# Altium PCB Pump_Driver_Test.PcbDoc
Units mil, origin at the board's own origin, x right, y up, seen from the top; angles counter-clockwise.
Board outline 3935 x 2660 mil, 2 copper layers (Top Layer, Bottom Layer); 36 components, 27 nets, 161 pads, 208 vias.
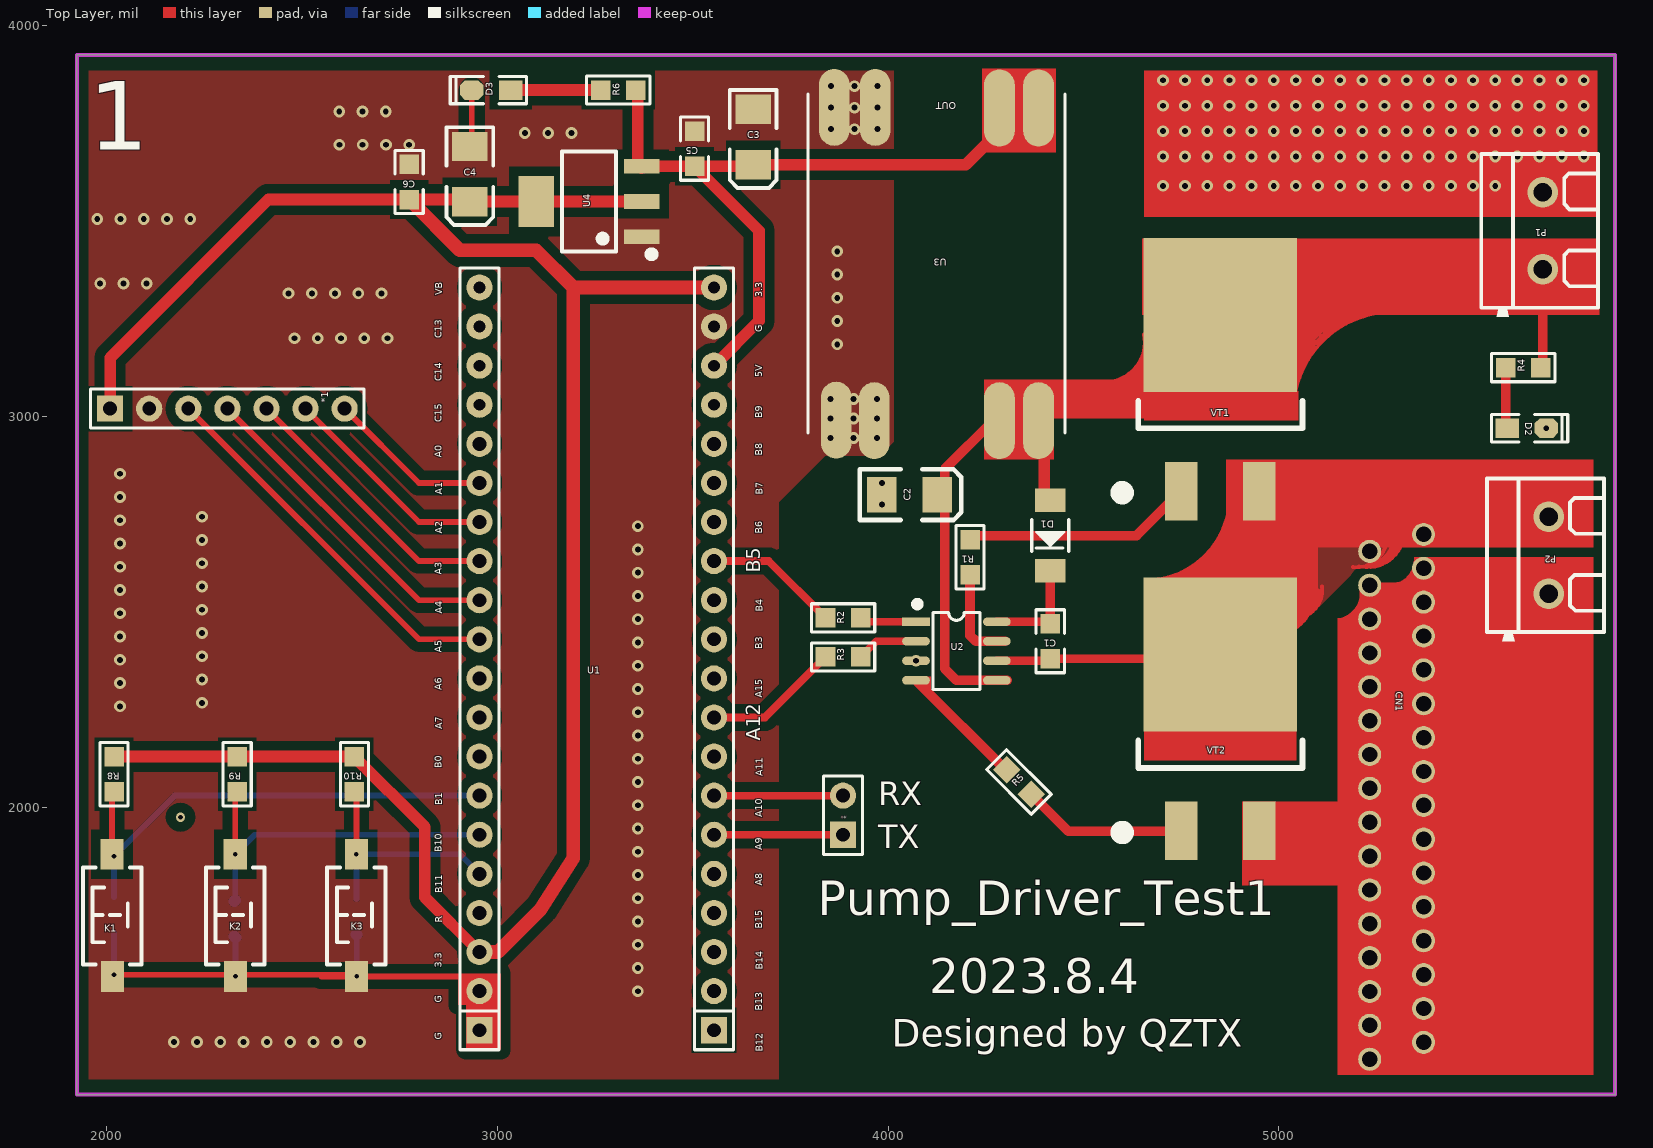
[diagram p0: Top Layer view]
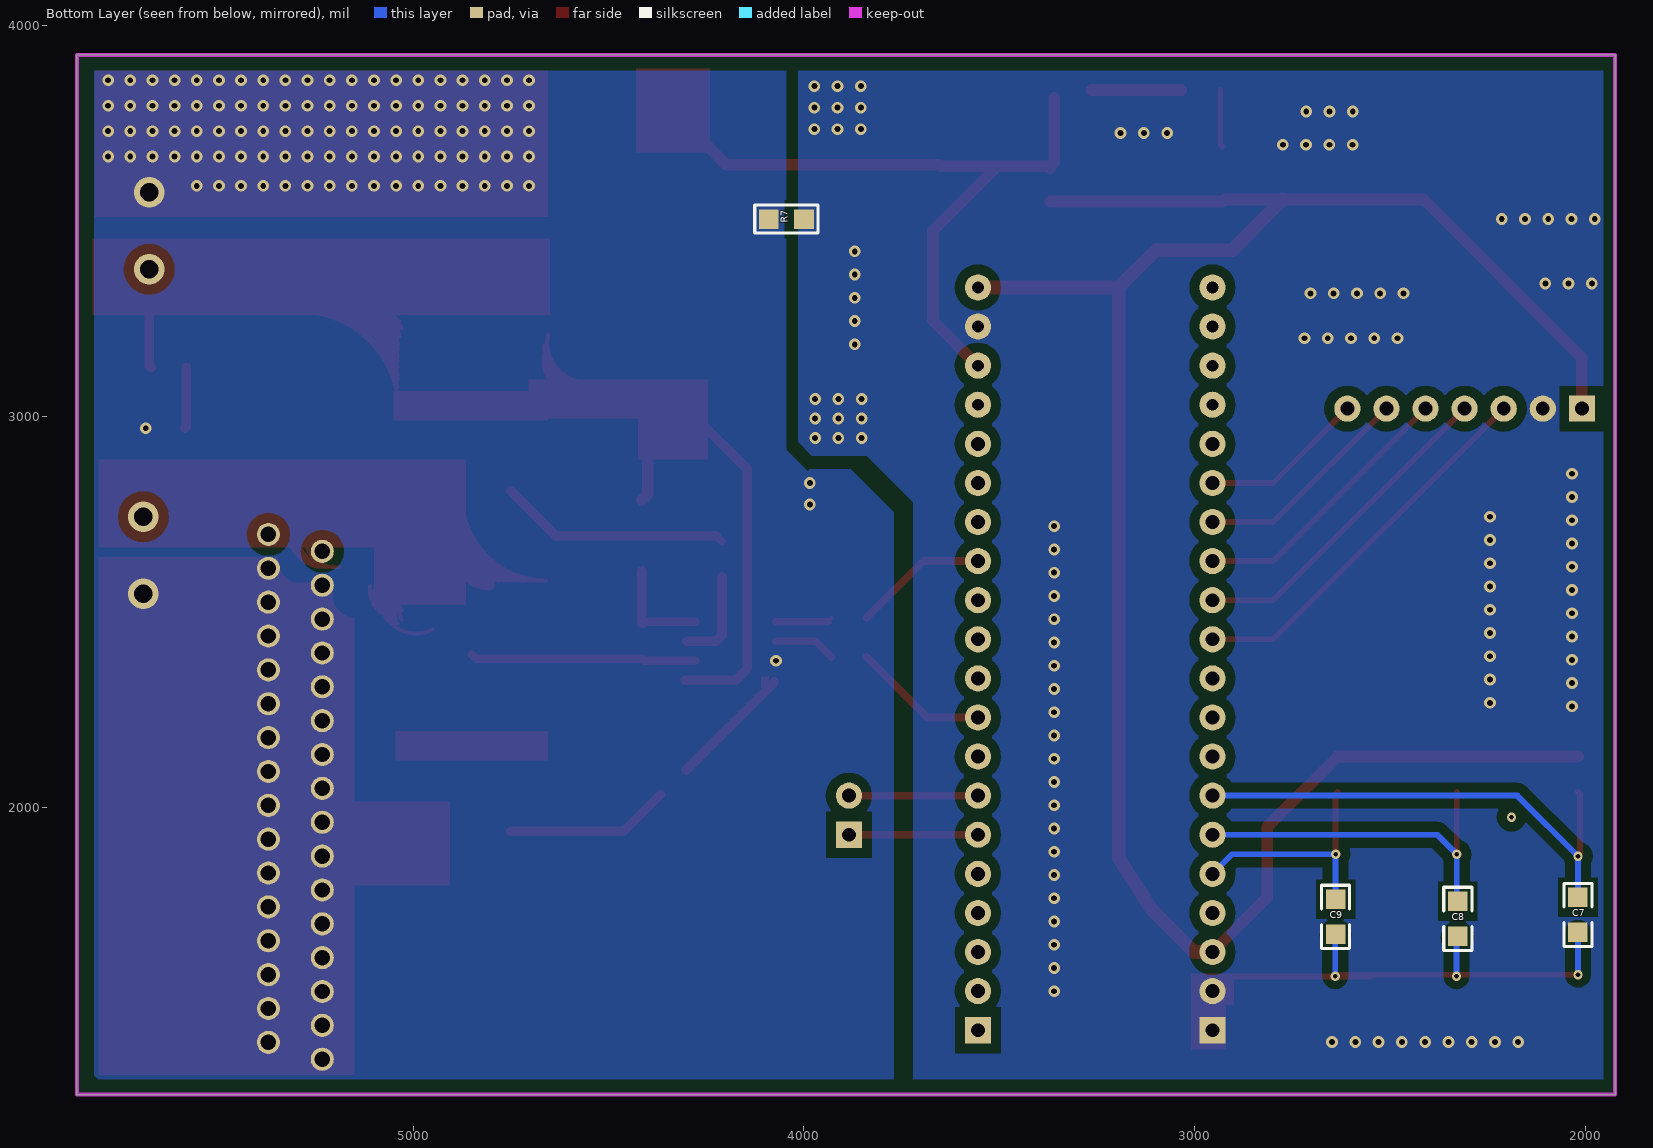
[diagram p1: Bottom Layer view, seen from below]

## Layer stack, top to bottom
Top Solder: solder mask 0.4, Solder Resist, Dk 3.5
Top Layer: signal copper 1.4
Dielectric 1: dielectric 12.6, FR-4, Dk 4.8
Bottom Layer: signal copper 1.4
Bottom Solder: solder mask 0.4, Solder Resist, Dk 3.5

## Board outline
1925,1265 1925,3925 5860,3925 5860,1265

## Design rules (kind name [scope] priority, off if disabled: settings)
Clearance Inpoly [InPoly] p1: gap=25
Clearance [All] p2: gap=7
PlaneClearance [All] p1: clearance=25
PlaneConnect [All] p1: planeconnectstyle=Relief reliefexpansion=20 reliefentries=4 reliefconductorwidth=20 reliefairgap=10
PolygonConnect [All] p1: connectstyle=Direct reliefconductorwidth=10 reliefentries=4 polygonreliefangle="90 Angle" airgapwidth=10
RoutingVias [All] p1: holewidth=12 width=24 viastyle="Through Hole" minholewidth=10 minwidth=20 maxholewidth=28 maxwidth=50
SilkToSilkClearance [All] p1: silktosilkclearance=0
SilkToSolderMaskClearance [IsPad] p1: minsilkscreentomaskgap=1 clearancetoexposedcopper=TRUE
SolderMaskExpansion [All] p1: expansion=4
Width [All] p1: maxlimit=100 minlimit=10 preferedwidth=10
26 further rules are at their usual default settings.

## Components (designator, comment, footprint, x,y, rotation, side; value= is the part's Value field where it differs from the comment)
*1 "OLED屏" HDR2.54-M-LI-7P 2310,3020 r0 top
C1 "10uF" "C 0805" 4415,2425 r90 top
C2 "25V 10uF" "CP 3528B" 4055,2800 r180 top
C3 "10uF" "CD B(3528)" 3655,3715 r90 top
C4 "10uF" "CD B(3528)" 2930,3620 r90 top
C5 "104" "C 0805" 3505,3685 r90 top
C6 "104" "C 0805" 2775,3600 r90 top
C7 "104" "C 0805" 2020,1725 r270 bottom
C8 "104" "C 0805" 2327.5,1715 r270 bottom
C9 "104" "C 0805" 2640,1720 r270 bottom
CN1 "MX34032NF2" CONN-TH_MX34032NF2 5301.1,2026.96 r90 top
D1 "ES1B-E3/61T" DO-214 4415,2695 r270 top
D2 "ORANGE" LED_0805 5634,2970 r0 top
D3 "ORANGE" LED_0805 2985,3835 r180 top
K1 "Key" "KEY 3.6*2.5 SMD" 2015,1725 r90 top
K2 "Key" "KEY 3.6*2.5 SMD" 2330,1725 r90 top
K3 "Key" "KEY 3.6*2.5 SMD" 2640,1725 r90 top
P1 "KF301-2P接线端子" CONN-TH_XY301V-A-5.0-2P 5675,3475 r270 top
P2 "KF301-2P接线端子" CONN-TH_XY301V-A-5.0-2P 5690,2645 r270 top
R1 "10R" "R 0805" 4210,2640 r90 top
R2 "1K" "R 0805" 3885,2485 r0 top
R3 "1K" "R 0805" 3885,2385 r0 top
R4 "10k" "R 0805" 5625,3125 r0 top
R5 "10R" "R 0805" 4335,2065 r315 top
R6 "10k" "R 0805" 3310,3835 r0 top
R7 "0R" "R 0805" 4045,3505 r180 bottom
R8 "10K" "R 0805" 2020,2085 r90 top
R9 "10K" "R 0805" 2335,2085 r90 top
R10 "10K" "R 0805" 2635,2085 r90 top
U1 "C8T6核心板" c8t6核心板 3255,2525 r0 top
U2 "IR2184" SOP8 4175,2400 r0 top
U3 "DM02-XX" DM02 4125,3390 r270 top
U4 "AMS1117-XX" SOT223 3235,3550 r90 top
VT1 "SQD40N06" TO263-3B 4850,3034.61 r0 top
VT2 "SQD40N06" TO263-3B 4850,2165.39 r0 top
排针 "排母1*2" HDR2.54-M-LI-2P 3885,1980 r90 top

## Footprints (in the part's own frame and the unit in brackets; to place one, negate y for a bottom-side part, rotate by r counter-clockwise, add the part's x,y. Pads: shape width x height; smd on the part's side, far side on the other; paste and mask are expansions set on the pad)
c8t6核心板 [mm]
  round 1.7 hole 0.762: 1(-7.62,20.447) 2(-7.62,17.907) 3(-7.62,15.367) 4(-7.62,12.827) 21(7.62,20.447) 22(7.62,17.907) 23(7.62,15.367) 24(7.62,12.827)
  round 1.7 hole 0.9: 5(-7.62,10.287) 6(-7.62,7.747) 7(-7.62,5.207) 8(-7.62,2.667) 9(-7.62,0.127) 10(-7.62,-2.413) 11(-7.62,-4.953) 12(-7.62,-7.493) 13(-7.62,-10.033) 14(-7.62,-12.573) 15(-7.62,-15.113) 16(-7.62,-17.653) 17(-7.62,-20.193) 18(-7.62,-22.733) 19(-7.62,-25.273) 25(7.62,10.287) 26(7.62,7.747) 27(7.62,5.207) 28(7.62,2.667) 29(7.62,0.127) 30(7.62,-2.413) 31(7.62,-4.953) 32(7.62,-7.493) 33(7.62,-10.033) 34(7.62,-12.573) 35(7.62,-15.113) 36(7.62,-17.653) 37(7.62,-20.193) 38(7.62,-22.733) 39(7.62,-25.273)
  rect 1.7x1.7 hole 0.9: 20(-7.62,-27.813) 40(7.62,-27.813)
  silkscreen extent -8.89,-29.08 8.89,21.72
"C 0805" [mil]
  rect 50x50 smd: 1(-45,0) 2(45,0)
  silkscreen extent -81,-36 81,36, body extent -39,-24 39,24, height 20
"CD B(3528)" [mil]
  rect 75x90 smd: 1(-70.87,-0.01) 2(70.86,-0.01)
  silkscreen extent -130,-60 120,60, body extent -69,-55 69,55, height 75
CONN-TH_MX34032NF2 [mm]
  round 1.5 hole 1 paste+0 mask+0.05: 1(17.05,-1.75) 2(15.95,1.75) 3(14.85,-1.75) 4(13.75,1.75) 5(12.65,-1.75) 6(11.55,1.75) 7(10.45,-1.75) 8(9.35,1.75) 9(8.25,-1.75) 10(7.15,1.75) 11(6.05,-1.75) 12(4.95,1.75) 13(3.85,-1.75) 14(2.75,1.75) 15(1.65,-1.75) 16(0.55,1.75) 17(-0.55,-1.75) 18(-1.65,1.75) 19(-2.75,-1.75) 20(-3.85,1.75) 21(-4.95,-1.75) 22(-6.05,1.75) 23(-7.15,-1.75) 24(-8.25,1.75) 25(-9.35,-1.75) 26(-10.45,1.75) 27(-11.55,-1.75) 28(-12.65,1.75) 29(-13.75,-1.75) 30(-14.85,1.75) 31(-15.95,-1.75) 32(-17.05,1.75)
CONN-TH_XY301V-A-5.0-2P [mm]
  round 2 hole 1.2 mask+0.051: 1(-2.5,0) 2(2.5,0)
  silkscreen extent -5,-4 5.6,3.6, body extent -5.25,-4 5.35,3.6, height 11.9
"CP 3528B" [mil]
  rect 75x90 smd: 1(-70.86,0) 2(70.87,0)
  silkscreen extent -132,-65 128,65, body extent -69,-55 69,55, height 75
DM02 [mm]
  oval 5x2 smd: 1(-10.143,6.604) 2(-10.143,4.064) 3(-10.177,-4.001) 4(-10.177,-6.668) 5(10.143,-6.54) 6(10.177,-4.064) 7(10.177,4.064) 8(10.177,6.604)
  silkscreen extent -11.03,-8.38 10.97,8.32
DO-214 [mil]
  rect 60x76.77 smd: 1(-91.03,0) 2(90.07,0)
  silkscreen extent -42,-47 41,47, body extent -84,-47 83,47, height 118
HDR2.54-M-LI-2P [mm] "排母，2脚"
  rect 1.7x1.7 hole 0.9: 1(-1.27,0)
  round 1.7 hole 0.9: 2(1.27,0)
  silkscreen extent -2.54,-1.27 2.54,1.27, body extent -2.54,-1.27 2.54,1.27, height 8.5
HDR2.54-M-LI-7P [mm] "排母，7脚"
  rect 1.7x1.7 hole 0.9: 1(-7.62,0)
  round 1.7 hole 0.9: 2(-5.08,0) 3(-2.54,0) 4(0,0) 5(2.54,0) 6(5.08,0) 7(7.62,0)
  silkscreen extent -8.89,-1.27 8.89,1.27, body extent -8.89,-1.27 8.89,1.27, height 8.5
"KEY 3.6*2.5 SMD" [mm]
  rect 2x1.5 smd: 1(-3.996,-0.02) 2(3.937,0)
  silkscreen extent -3.21,-1.9 3.09,1.9, body extent -4,-1.88 4,1.62, height 2.59
LED_0805 [mil]
  rect 60x50 smd: 1(-50,0)
  oct 60x50 smd: 2(50,0)
  silkscreen extent -90,-35 105,35, body extent -39,-25 39,25, height 32
"R 0805" [mil]
  rect 50x50 smd: 1(-45,0) 2(45,0)
  silkscreen extent -81,-36 81,36, body extent -39,-25 39,25, height 20
SOP8 [mm]
  rect 1.8x0.55 smd: 1(-2.625,1.905)
  oval 1.8x0.55 smd: 2(-2.625,0.635) 3(-2.625,-0.635) 4(-2.625,-1.905) 5(2.625,-1.905) 6(2.625,-0.635) 7(2.625,0.635) 8(2.625,1.905)
  silkscreen extent -2.69,-2.5 1.52,3.2, body extent -3,-2.5 3,2.5, height 1.9
SOT223 [mm]
  rect 0.95x2.3 smd: 1(-2.3,-3.429) 2(0,-3.429) 3(2.3,-3.429)
  rect 3.3x2.3 smd: 2(0,3.429)
  silkscreen extent -3.63,-4.26 3.25,1.75, body extent -3.25,-3.51 3.25,3.51, height 1.65
TO263-3B [mm]
  rect 2.1x3.8 smd: 1(-2.54,-5.725) 3(2.54,-5.725)
  rect 10x10 smd: 2(0,5.725)
  silkscreen extent -6.75,-6.21 5.33,0.14, body extent -5,-5.74 5,9.19, height 4.5

## Part data
C1 C5 C6 C7 C8 C9: library part Cap, "无极性电容"
C2: library part Cap_Pol, "极性电容"
C3 C4: library part 贴片钽电容
CN1: "间距:2.2mm;插针结构:2x16P;排数:2;每排PIN数:16;行距:3mm;公母:公型插针;安装方式:弯插;"
D1: library part Diode, "二极管"
D2 D3: library part LED, "发光二极管"
K1 K2 K3: "按键"
R1 R2 R3 R4 R5 R6 R7 R8 R9 R10: library part Resistor, "电阻"
U2: "Half-Bridge Gate Driver"
U3: library part DM02, "开关型DC-DC变换器"
U4: library part AMS1117, "线性稳压器"
VT1 VT2: library part PowerMos_N

## Via types
v1: diameter 30, hole 15, Top Layer to Bottom Layer, 201 vias
v2: diameter 24, hole 12, Top Layer to Bottom Layer, 7 vias

## Nets (pads, with @x,y where several pads share a name; then routed paths per layer and width w, separated by ;. In a path a pad name is that pad's centre, name@x,y a point inside that pad or via, vN(x,y) a via of type N, cw(c..) or ccw(c..) an arc to the next point about the centre after c; other vN are vias at no path point)
CS: *1.7 U1.6 | length 423.7
  Top Layer w15: *1.7 2800,2830 U1.6
D0: *1.3 U1.10 | length 989.4
  Top Layer w15: *1.3 2800,2430 U1.10
D1: *1.4 U1.9 | length 848
  Top Layer w15: *1.4 2800,2530 U1.9
DC: *1.6 U1.7 | length 565.1
  Top Layer w15: *1.6 2800,2730 U1.7
GND: *1.2 C3.2 C4.2 C5.2 C6.2 C7.2 C8.2 C9.2 D3.2 K1.1 K2.1 K3.1 R7.2 U1.19 U1.20 U1.22 U3.3 U3.4 U3.5 U3.6 U4.1 | length 1608
  Top Layer w15: v2(2020,1571.9) 2636.57,1571.9 v2(2640.79,1567.69) ; 2550.79,1567.69 v2(2640.79,1567.69) ; C4.2 2935,3695.85 D3.2 ; U1.20 U1.19 2917.31,1567.69 v2(2640.79,1567.69)
  Bottom Layer w15: v2(2020,1571.9) C7.2 ; v2(2330.79,1567.69) C8.2@2330.79,1666.71 ; v2(2640.79,1567.69) C9.2@2640.79,1674.21
  Bottom Layer w30: C8.2 C8.2@2330.79,1666.71 ; C9.2 C9.2@2640.79,1674.21
  other v1: 2173,1400 2232.5,1400 2292,1400 2351.5,1400 2411,1400 2470.5,1400 2530,1400 2589.5,1400 2649,1400 3360,1529.5 3360,1589 3360,1648.5 3360,1708 3360,1767.5 3360,1827 3360,1886.5 3360,1946 3360,2005.5 3360,2065 3360,2124.5 3360,2184 3360,2243.5 2035,2258.5 2245,2267.5 3360,2303 2035,2318 2245,2327 3360,2362.5 2035,2377.5 2245,2386.5 3360,2422 2035,2437 2245,2446 3360,2481.5 2035,2496.5 2245,2505.5 3360,2541 2035,2556 2245,2565 3360,2600.5 2035,2615.5 2245,2624.5 3360,2660 2035,2675 2245,2684 3360,2719.5 2035,2734.5 2245,2743.5 2035,2794 2035,2853.5 3852.5,2945 3912,2945 3971.5,2945 3852.5,2995 3912,2995 3971.5,2995 3852.5,3045 3912,3045 3971.5,3045 3870,3184.5 2481.5,3200 2541,3200 2600.5,3200 2660,3200 2719.5,3200 3870,3244 3870,3303.5 2466.5,3315 2526,3315 2585.5,3315 2645,3315 2704.5,3315 1984.5,3340 2044,3340 2103.5,3340 3870,3363 3870,3422.5 1977,3505 2036.5,3505 2096,3505 2155.5,3505 2215,3505 2596.5,3695 2656,3695 2715.5,3695 2775,3695 3071,3725 3130.5,3725 3190,3725 3854.5,3735 3914,3735 3973.5,3735 2596,3780 2655.5,3780 2715,3780 3854.5,3790 3914,3790 3973.5,3790 3854.5,3845 3914,3845 3973.5,3845
KEY1: C7.1 K1.2 R8.1 U1.14 | length 1266.3
  Top Layer w15: K1.2 2015,2035 R8.1
  Bottom Layer w15: C7.1 v2(2020,1875) 2175,2030 U1.14
KEY2: C8.1 K2.2 R9.1 U1.15 | length 926.7
  Top Layer w15: v2(2330,1880) R9.1@2330,2040
  Bottom Layer w15: C8.1@2330,1762.5 v2(2330,1880) 2380,1930 U1.15
  Bottom Layer w30: C8.1 C8.1@2330,1762.5
KEY3: C9.1 K3.2 R10.1 U1.16 | length 612.8
  Top Layer w15: R10.1 2640,2035 v2(2640,1880)
  Bottom Layer w15: C9.1 v2(2640,1880) 2905,1880 U1.16
MOTOR+: C1.1 CN1.1 CN1.2 P2.1 U2.6 VT1.3 VT2.2 | length 4741.4
  Top Layer w10: C1.1@4410,2375 C1.1 ; VT2.2@4660,2580 ccw(c4657.5,2797.5) 4875,2800 ; VT2.2@4670,2580 ccw(c4670,2790) 4864.23,2710.17 ; VT2.2@4725,2580 ccw(c4717.5,2732.5) 4866,2697 ; VT2.2@4745,2580 ccw(c4732.5,2717.5) 4870.19,2707.33 ; VT2.2@4760,2580 ccw(c4750,2700) 4870.22,2693.07 ; VT2.2@4780,2580 ccw(c4767.5,2682.5) 4870.27,2672.41 ; VT2.2@4795,2580 ccw(c4785,2665) 4870.27,2672.41 ; 4870,2675 cw(c4785,2665) 4870.27,2672.41 ; 4870,2695 cw(c4767.5,2682.5) 4870.22,2693.07 ; 4870,2710 cw(c4750,2700) 4870.19,2707.33 ; 4870,2730 cw(c4732.5,2717.5) 4870.13,2728.46 ; 4870,2750 cw(c4695,2755) 4864.23,2710.17 ; 4880,2790 cw(c4670,2790) 4874.97,2744.31 ; VT2.2@4950,2455 ccw(c4992.5,2537.5) 5073.91,2492.95 ; VT2.2@5030,2480 cw(c5255,2435) VT2.2@5035.06,2500.39 ; VT2.2@5030,2505 cw(c5242.5,2447.5) VT2.2@5040.33,2534.62 ; VT2.2@5035,2500 cw(c5235,2470) VT2.2@5035.06,2500.39 ; VT2.2@5040,2470 ccw(c5042.9,2489.51) 5062.41,2486.6 ; VT2.2@5045,2505 ccw(c5052.5,2552.5) 5099.93,2544.55 ; 5049.68,2495 ccw(c5044.84,2550.16) 5099.93,2544.55 ; 5050,2485 ccw(c5040,2555) 5073.91,2492.95 ; 5050,2510 ccw(c5052.5,2552.5) 5095,2550 ; 5075,2495 cw(c4992.5,2537.5) 5073.91,2492.95 ; 5100,2545 cw(c5052.5,2552.5) 5099.93,2544.55 ; 5100,2555 cw(c5044.84,2550.16) 5099.93,2544.55 ; 5110,2565 cw(c5040,2555) 5073.91,2492.95 ; 5190,2615 ccw(c5200,2690) 5213.45,2615.54 ; 5204.7,2615.94 ccw(c5212.82,2698.12) 5213.45,2615.54 ; 5225,2615 ccw(c5222.5,2712.5) 5320,2715 cw(c5227.5,2707.5) 5235,2615 ; 5275,2680 cw(c5200,2690) 5213.45,2615.54 ; 5295,2690 cw(c5212.82,2698.12) 5213.45,2615.54 ; 5305,2695 cw(c5219.5,2701.04) 5213.45,2615.54 ; 4804,2618 cw(c4692.5,2762.5) 4690,2580 ccw(c4695,2755) 4804,2618 ; 4804,2618 ccw(c4695,2755) 4864.23,2710.17 ; 4804,2618 ccw(c4692.5,2762.5) 4866.91,2708.71 ; 4851.18,2664.7 cw(c4702.5,2752.5) 4710,2580 ccw(c4710,2740) 4851.18,2664.7 ; 4851.18,2664.7 ccw(c4710,2740) 4866.91,2708.71 ; 4851.18,2664.7 ccw(c4702.5,2752.5) 4866,2697 ; 4864.23,2710.17 ccw(c4670,2790) 4869.13,2723.3 ; 4866,2697 ccw(c4717.5,2732.5) 4869.49,2717.9 ; 4866,2697 ccw(c4702.5,2752.5) 4870.48,2712.55 ; 4866.91,2708.71 ccw(c4710,2740) 4869.13,2723.3 ; 4866.91,2708.71 ccw(c4692.5,2762.5) 4869.48,2717.9 ; 4869.13,2723.3 ccw(c4710,2740) 4870,2740 cw(c4717.5,2732.5) 4870.13,2728.46 ; 4869.13,2723.3 ccw(c4670,2790) 4870.05,2726.13 ; 4869.49,2717.9 ccw(c4717.5,2732.5) 4870.05,2726.13 ; 4869.48,2717.9 ccw(c4692.5,2762.5) 4870.49,2722.1 ; 4870.05,2726.13 ccw(c4717.5,2732.5) 4870.13,2728.46 ; 4870.05,2726.13 ccw(c4670,2790) 4870.26,2726.77 ; 4870.13,2728.46 cw(c4732.5,2717.5) 4870.26,2726.77 ; 4870.22,2693.07 cw(c4767.5,2682.5) 4870.27,2672.41 ; 4870.22,2693.07 ccw(c4750,2700) 4870.19,2707.33 ; 4870.19,2707.33 ccw(c4732.5,2717.5) 4870.48,2712.55 ; 4870.26,2726.77 cw(c4732.5,2717.5) 4870.49,2722.1 ; 4870.26,2726.77 ccw(c4670,2790) 4873.26,2737.21 ; 4870.48,2712.55 ccw(c4732.5,2717.5) 4870.49,2722.1 ; 4870.48,2712.55 ccw(c4702.5,2752.5) 4874.97,2744.31 ; 4870.49,2722.1 ccw(c4692.5,2762.5) 4873.26,2737.21 ; 4873.26,2737.21 ccw(c4670,2790) 4874.97,2744.31 ; 4873.26,2737.21 ccw(c4692.5,2762.5) 4875,2760 cw(c4702.5,2752.5) 4874.97,2744.31 ; VT2.2@5035.06,2500.39 cw(c5255,2435) VT2.2@5039.99,2515.14 ; VT2.2@5035.06,2500.39 cw(c5235,2470) VT2.2@5039.8,2522.87 ; VT2.2@5039.8,2522.87 ccw(c5177.5,2522.5) VT2.2@5039.99,2515.14 ; VT2.2@5039.8,2522.87 cw(c5177.5,2522.5) VT2.2@5040.33,2534.62 ; VT2.2@5039.8,2522.87 cw(c5235,2470) VT2.2@5040.33,2524.81 ; VT2.2@5039.99,2515.14 ccw(c5177.5,2522.5) 5040,2515 cw(c5185,2515) VT2.2@5040,2515.16 ; VT2.2@5040,2515.16 cw(c5185,2515) VT2.2@5040.33,2524.81 ; VT2.2@5040.33,2524.81 cw(c5185,2515) 5041.84,2538.05 ccw(c5242.5,2447.5) VT2.2@5040.33,2534.62
  Top Layer w22: U2.6 C1.1@4410,2375 ; C1.1 4839.21,2380 VT2.2
  Top Layer w30: VT2.2@4805,2570 ccw(c4805,2650) 4885,2650
NetC1_2: C1.2 D1.2 U2.8 | length 273.7
  Top Layer w10: C1.2@4410,2475 C1.2
  Top Layer w22: U2.8 C1.2@4410,2475
  Top Layer w25: C1.2 D1.2
NetD2_1: D2.1 R4.1 | length 156.7
  Top Layer w25: R4.1 5580,2974 D2.1
NetD3_1: D3.1 R6.1 | length 230
  Top Layer w30: D3.1 R6.1
NetR1_1: R1.1 U2.7 | length 246.2
  Top Layer w25: R1.1@4210,2590 4210,2440 4225,2425 U2.7 U2.7@4300,2425
NetR1_2: R1.2 VT1.1 | length 593.7
  Top Layer w20: R1.2@4210,2680 R1.2@4225,2695
  Top Layer w25: R1.2@4225,2695 4635.39,2695 VT1.1@4750,2809.61
NetR2_2: R2.2 U2.1 | length 145.8
  Top Layer w10: R2.2 R2.2@3940,2475
  Top Layer w20: R2.2@3940,2475 U2.1
NetR3_2: R3.2 U2.2 | length 158.2
  Top Layer w20: R3.2 3970,2425 U2.2
NetR5_1: R5.1 U2.4 | length 319.4
  Top Layer w25: U2.4@4075.83,2320.83 R5.1@4301.65,2095
NetR5_2: R5.2 VT2.1 | length 422.1
  Top Layer w25: R5.2 4460.79,1939.21 VT2.1@4750,1939.21
P_GND: C2.2 CN1.3 CN1.4 CN1.5 CN1.6 CN1.7 CN1.8 CN1.9 CN1.10 CN1.11 CN1.12 CN1.13 CN1.14 CN1.15 CN1.16 CN1.17 CN1.18 CN1.19 CN1.20 CN1.21 CN1.22 CN1.23 CN1.24 CN1.25 CN1.26 CN1.27 CN1.28 CN1.29 CN1.30 CN1.31 CN1.32 D2.2 P1.1 P2.2 R7.1 U2.3 VT2.3 | length 1132.5
  Top Layer w10: 5170,2480 ccw(c5167.5,2537.5) CN1.4@5225,2540 ; 5175,2470 ccw(c5170,2525) 5225,2530 ; CN1.4@5210,2560 cw(c5145,2545) 5210,2530 ; CN1.4@5210,2575 cw(c5137.5,2552.5) 5210,2530 ; CN1.4@5215,2565 cw(c5145,2550) 5160,2480 ; CN1.4@5225,2555 cw(c5155,2550) 5160,2480 ; 5280,2565 ccw(c5280,2635) 5301.27,2568.31 ccw(c5280,2635) 5350,2635 ; 5160,2480 ccw(c5137.5,2552.5) 5210,2530 ; 5160,2480 ccw(c5145,2545) 5210,2530
  Top Layer w25: CN1.5 5326.7,2481.7 CN1.6 5227.2,2563.31 5296.27,2563.31 5326.69,2568.31 CN1.3
  other v1: 4071.65,2375 3985,2775 3985,2830 5684,2970 4703.33,3590 4760,3590 4816.67,3590 4873.33,3590 4930,3590 4986.67,3590 5043.33,3590 5100,3590 5156.67,3590 5213.33,3590 5270,3590 5326.67,3590 5383.33,3590 5440,3590 5496.67,3590 5553.33,3590 4703.33,3665 4760,3665 4816.67,3665 4873.33,3665 4930,3665 4986.67,3665 5043.33,3665 5100,3665 5156.67,3665 5213.33,3665 5270,3665 5326.67,3665 5383.33,3665 5440,3665 5496.67,3665 5553.33,3665 5610,3665 5666.67,3665 5723.33,3665 5780,3665 4703.33,3730 4760,3730 4816.67,3730 4873.33,3730 4930,3730 4986.67,3730 5043.33,3730 5100,3730 5156.67,3730 5213.33,3730 5270,3730 5326.67,3730 5383.33,3730 5440,3730 5496.67,3730 5553.33,3730 5610,3730 5666.67,3730 5723.33,3730 5780,3730 4703.33,3795 4760,3795 4816.67,3795 4873.33,3795 4930,3795 4986.67,3795 5043.33,3795 5100,3795 5156.67,3795 5213.33,3795 5270,3795 5326.67,3795 5383.33,3795 5440,3795 5496.67,3795 5553.33,3795 5610,3795 5666.67,3795 5723.33,3795 5780,3795 4703.33,3860 4760,3860 4816.67,3860 4873.33,3860 4930,3860 4986.67,3860 5043.33,3860 5100,3860 5156.67,3860 5213.33,3860 5270,3860 5326.67,3860 5383.33,3860 5440,3860 5496.67,3860 5553.33,3860 5610,3860 5666.67,3860 5723.33,3860 5780,3860
PUMP_EN: R3.1 U1.32 | length 349.2
  Top Layer w20: U1.32 3685,2230 R3.1
PUMP_PWM: R2.1 U1.28 | length 345.1
  Top Layer w20: U1.28 3695,2630 R2.1
RES: *1.5 U1.8 | length 706.5
  Top Layer w15: *1.5 2800,2630 U1.8
USART_RX: U1.34 排针.2 | length 330
  Top Layer w20: U1.34 排针.2
USART_TX: U1.35 排针.1 | length 330
  Top Layer w20: U1.35 排针.1
VCC: C2.1 D1.1 P1.2 R4.2 U2.5 U3.7 U3.8 VT1.2 | length 4878.3
  Top Layer w10: 4565,3090 ccw(c4570,3185) 4575,3090 ; 4600,3090 ccw(c4590,3160) VT1.2@4660.6,3155.98 ; 4610,3085 ccw(c4600,3150) VT1.2@4664.9,3139.39 ; 4630,3080 ccw(c4607.31,3133.29) VT1.2@4664.9,3139.39 ; VT1.2@4655,3210 cw(c4555,3190) 4575,3090 ; VT1.2@4660,3170 cw(c4590,3160) VT1.2@4660.6,3155.98 ; VT1.2@4665,3160 cw(c4600,3150) VT1.2@4664.9,3139.39 ; VT1.2@4665,3180 cw(c4570,3185) VT1.2@4660.6,3155.98 ; VT1.2@5035,3205 cw(c5105,3195) 5084.01,3262.52 ; VT1.2@5035,3245 ccw(c5030,3265) 5050,3270 cw(c5017.5,3257.5) 5052.31,3256.71 ; 5040,3050 cw(c5290,3015) 5269.07,3266.57 ; VT1.2@5040,3075 cw(c5270,3035) 5232.41,3265.41 ; VT1.2@5040,3095 cw(c5245,3060) 5210,3265 ; VT1.2@5040,3105 cw(c5222.5,3082.5) 5205.6,3265.6 ; VT1.2@5040,3125 cw(c5207.5,3097.5) 5182.23,3265.35 ; VT1.2@5040,3140 cw(c5187.5,3117.5) 5173.55,3266.05 ; VT1.2@5040,3155 cw(c5167.5,3137.5) 5151.91,3265.25 ; VT1.2@5040,3170 cw(c5145,3160) 5138.11,3265.25 ; VT1.2@5040,3180 cw(c5130,3185) VT1.2@5040,3190 ; 5100,3265 ccw(c5085,3210) 5098.43,3265.4 ; 5125,3275 ccw(c5130,3185) 5096.77,3268.79 ; 5140,3265 ccw(c5127.5,3177.5) 5138.11,3265.25 ; 5155,3265 ccw(c5145,3160) 5151.91,3265.25 ; 5185,3265 ccw(c5167.5,3137.5) 5182.23,3265.35 ; 5235,3265 ccw(c5207.5,3097.5) 5232.41,3265.41 ; 5245,3265 ccw(c5222.5,3082.5) 5235.65,3265.91 ; 5280,3265 ccw(c5245,3060) 5269.07,3266.57 ; 5310,3265 ccw(c5270,3035) 5291.81,3267.43 ; 5325,3265 ccw(c5290,3015) 5291.81,3267.43 ; 4575,3090 ccw(c4570,3185) VT1.2@4660.6,3155.98 ; VT1.2@4660.6,3155.98 cw(c4607.31,3133.29) VT1.2@4664.9,3139.39 ; VT1.2@5030,3225 cw(c5085,3210) 5052.31,3256.71 ; VT1.2@5030,3225 ccw(c5017.5,3257.5) 5052.25,3255.35 ; VT1.2@5030,3225 cw(c5092.5,3202.5) 5052.25,3255.35 ; VT1.2@5040,3190 cw(c5127.5,3177.5) 5115,3265 ; VT1.2@5040,3190 cw(c5130,3185) 5084.01,3262.52 ; 5052.25,3255.35 cw(c5092.5,3202.5) 5070,3265 ; 5052.25,3255.35 ccw(c5017.5,3257.5) 5052.31,3256.71 ; 5052.31,3256.71 cw(c5085,3210) 5070,3265 ; 5070,3265 cw(c5092.5,3202.5) 5096.77,3268.79 ; 5070,3265 cw(c5085,3210) 5091.73,3266.61 ; 5084.01,3262.52 cw(c5130,3185) 5091.73,3266.61 ; 5084.01,3262.52 cw(c5105,3195) 5098.43,3265.4 ; 5091.73,3266.61 cw(c5085,3210) 5098.43,3265.4 ; 5091.73,3266.61 cw(c5130,3185) 5096.77,3268.79 ; 5096.77,3268.79 cw(c5092.5,3202.5) 5115,3265 ; 5098.43,3265.4 cw(c5105,3195) 5115,3265 ; 5115,3265 cw(c5127.5,3177.5) 5138.11,3265.25 ; 5138.11,3265.25 cw(c5145,3160) 5151.91,3265.25 ; 5151.91,3265.25 cw(c5167.5,3137.5) 5173.55,3266.05 ; 5173.55,3266.05 cw(c5187.5,3117.5) 5192.86,3266.61 ; 5173.55,3266.05 cw(c5167.5,3137.5) 5182.23,3265.35 ; 5182.23,3265.35 cw(c5207.5,3097.5) 5192.86,3266.61 ; 5192.86,3266.61 cw(c5207.5,3097.5) 5221.65,3266.65 ; 5192.86,3266.61 cw(c5187.5,3117.5) 5205.6,3265.6 ; 5205.6,3265.6 cw(c5222.5,3082.5) 5219.13,3266.35 ; 5205.6,3265.6 cw(c5187.5,3117.5) 5210,3265 ; 5210,3265 cw(c5245,3060) 5219.13,3266.35 ; 5219.13,3266.35 cw(c5245,3060) 5221.65,3266.65 ; 5219.13,3266.35 cw(c5222.5,3082.5) 5224.7,3266.37 ; 5221.65,3266.65 cw(c5245,3060) 5252.82,3267.82 ; 5221.65,3266.65 cw(c5207.5,3097.5) 5224.7,3266.37 ; 5224.7,3266.37 cw(c5222.5,3082.5) 5235.65,3265.91 ; 5224.7,3266.37 cw(c5207.5,3097.5) 5232.41,3265.41 ; 5232.41,3265.41 cw(c5270,3035) 5235.65,3265.91 ; 5235.65,3265.91 cw(c5270,3035) 5252.82,3267.82 ; 5252.82,3267.82 cw(c5270,3035) 5291.81,3267.43 ; 5252.82,3267.82 cw(c5245,3060) 5269.07,3266.57 ; 5269.07,3266.57 cw(c5290,3015) 5291.81,3267.43
  Top Layer w20: U3.7@4269.31,2989.31 U3.7
  Top Layer w25: U3.7@4269.31,2989.31 4145,2865 4145,2355 4175,2325 U2.5 U2.5@4305,2325 ; U3.8 U3.8@4400,2974.31 ; R4.2 5675,3130 P1.2
  Top Layer w30: U3.8@4400,2974.31 4400,2801.03 D1.1
VCC_3V3: *1.1 C4.1 C6.1 R8.2 R9.2 R10.2 U1.18 U1.21 U4.2 | length 5598.1
  Top Layer w30: *1.1 2010,3150 2415,3555 C6.1 2924.13,3555 C4.1 2930.88,3550 3100,3550 U4.2@3370,3550 ; R8.2 R9.2 R10.2 2815,1950 2815,1770 U1.18
  Top Layer w35: C6.1 2905,3425 3100,3425 3195,3330 ; U1.18 3002.02,1630 3112.02,1740 3195,1870 3195,3330 ; U1.21 3195,3330
VCC_5V: C3.1 C5.1 R6.2 U1.23 U3.1 U3.2 U4.3 | length 1818
  Top Layer w25: C3.1@3650.88,3640 C3.1 ; U3.2@4285,3730 U3.2
  Top Layer w30: R6.2@3360,3815 3360,3650.55 U4.3 ; U4.3@3370,3635.55 3374.45,3640 C5.1 ; U1.23 3670,3245 3670,3475 C5.1 ; C3.1@3650.88,3640 C5.1 ; C3.1 4199.13,3644.13 U3.2@4285,3730
pads on no net: U1.1 U1.2 U1.3 U1.4 U1.5 U1.11 U1.12 U1.13 U1.17 U1.24 U1.25 U1.26 U1.27 U1.29 U1.30 U1.31 U1.33 U1.36 U1.37 U1.38 U1.39 U1.40
copper on no net:
  other v2: 2190,1975

## Polygon pours and split planes (outlines as drawn)
MOTOR+ on Top Layer "Mechanical 1-No Net" (solid, pour order 0): 5305,2695 5310,2690 5310,2655 5310,2650 5275,2615 5270,2610 5200,2610 5105,2515 5035,2445 5025,2445 5025,2695
GND on Top Layer "Mechanical 1-No Net" (solid, pour order 10): 4015,3885 4015,2935 3980,2900 3840,2900 3720,2780 3720,1305 1955,1305 1955,3885 4015,3885
MOTOR+ on Top Solder "Mechanical 1-No Net" (solid): 5320,2665 5270,2610 5195,2610 5045,2460 5045,2890 5805,2890 5805,2665 5565,2665
P_GND on Bottom Layer "Mechanical 1-No Net" (solid, pour order 2): 5815,3885 4045,3885 4045,2915 3990,2860 3985,2865 3880,2865 3770,2755 3770,1305 5805,1305 5815,1315 5815,3880
GND on Bottom Layer "Mechanical 1-No Net" (solid, pour order 8): 4015,3885 4015,2940 4015,2935 3985,2905 3980,2900 3855,2900 3840,2900 3720,2780 3720,1305 1930,1305 1925,1300 1925,3885 4015,3885

## Keep-outs
Keep-Out Layer:
  the board outline again, w10

## Other copper
Top Layer:
  rectangle net P_GND: 4905,1800 5340,2015
  rectangle net P_GND: 5326.69,2545 5370,2568.31
  rectangle net P_GND: 5240,2465 5385,2560
  rectangle net P_GND: 5345,2380 5805,2640
  rectangle net P_GND: 5150,1315 5805,2485
  rectangle net P_GND: 4655,3510 5815,3885
  rectangle net NetR5_1: 4090,2290 4110,2335
  rectangle net VCC: 4650,3260 5820,3455
  rectangle net MOTOR+: 5040,2470 5060,2475
  rectangle net MOTOR+: 5049.68,2477.71 5067.71,2495
  rectangle net MOTOR+: 5049.68,2495 5075,2567.28
  rectangle net MOTOR+: 5040,2475 5055,2585
  rectangle net VCC_5V: 4240,3675 4430,3890
  rectangle net VCC: 4245,2890 4425,3095
  rectangle net VCC: 4245,2995 4705,3095
  rectangle net MOTOR+: 4655,2120 5045,2195
  rectangle net VCC: 4655,2990 5050,3065
  rectangle net MOTOR+: 4865,2517.56 5100.49,2890
  rectangle net MOTOR+: 5100.49,2665 5805,2890
  rectangle net GND: 2920,1380 3010,1575
  rectangle net GND: 2900,1495 2940,1560
  rectangle net GND: 2900,1560 2917.31,1567.69
  pour cut-out: 5246.44,2621.43 5280,2655 5315,2655 5315,2640 5270,2595

## Silkscreen, mask and mechanical layers (free items; w line width, h text height)
Top Overlay:
  text "1" at 1955,3625 h300
  text "RX" at 3975,2005 h60
  text "TX" at 3975,1895 h60
  text "Pump_Driver_Test1" at 3820,1695 h150
  text "2023.8.4" at 4105,1495 h150
  text "Designed by QZTX" at 4010,1365 h120
Top Solder:
  rectangle: 5405,2020 5805,2640
  rectangle: 4905,1800 5805,2020
  rectangle: 5025,3185 5070,3220
  rectangle: 5025,3205 5120,3280
  rectangle: 5025,3260 5820,3460
  rectangle: 4865,2560 5045,2890
  rectangle: 4650,2120 5050,2190
  rectangle: 4650,2990 5050,3060
  lines w10: 4655,2585 ccw(c4662.5,2797.5) 4875,2790 cw(c4685,2775) 4700,2585 ccw(c4695,2770) 4880,2775 ; 4740,2590 ccw(c4727.5,2737.5) 4875,2750 ; 4750,2585 ccw(c4742.5,2717.5) 4875,2725 ; 4765,2585 ccw(c4755,2710) 4880,2720 ; 4775,2585 ccw(c4770,2695) 4880,2700 ; 4820,2580 ccw(c4812.5,2642.5) 4875,2650 ; 4830,2585 ccw(c4832.5,2647.5) 4895,2645 ; 4875,2685 cw(c4790,2670) 4805,2585 ccw(c4805,2665) 4885,2665 ; 5040,3065 cw(c5285,3020) 5330,3265 ccw(c5292.5,3017.5) 5045,3055 ; 5040,3115 cw(c5205,3105) 5215,3270 ; 5045,3150 cw(c5177.5,3137.5) 5190,3270 ; 5050,3125 cw(c5205,3110) 5220,3265 ccw(c5212.5,3107.5) 5055,3115 ; 5065,3125 cw(c5200,3125) 5200,3260 ; 5085,3170 cw(c5172.5,3157.5) 5185,3245 ; 5225,3270 ccw(c5220,3095) 5045,3100 cw(c5262.5,3042.5) 5260.03,3267.46

## Dimensions
5860,1265 to 1925,1240 on Mechanical 1

## Text inside footprints (layer, text, board x,y; h text height)
U1: Top Overlay "B3" at 3685,2405 h30 r90; Top Overlay "B4" at 3685.67,2500 h30 r90; Top Overlay "B5" at 3685,2600 h60 r90; Top Overlay "B6" at 3685,2700 h30 r90; Top Overlay "B7" at 3685.67,2800 h30 r90; Top Overlay "B8" at 3685,2900 h30 r90; Top Overlay "B9" at 3685,2995 h30 r90; Top Overlay "5V" at 3685,3100 h30 r90; Top Overlay "G" at 3685,3215 h30 r90; Top Overlay "3.3" at 3685,3305 h30 r90; Top Overlay "A5" at 2865,2395 h30 r90; Top Overlay "A4" at 2865.67,2495 h30 r90; Top Overlay "A3" at 2865,2595 h30 r90; Top Overlay "A2" at 2865.67,2700 h30 r90; Top Overlay "A1" at 2865.67,2800 h30 r90; Top Overlay "A0" at 2865,2895 h30 r90; Top Overlay "C15" at 2865,2985 h30 r90; Top Overlay "C14" at 2865,3090 h30 r90; Top Overlay "C13" at 2865,3200 h30 r90; Top Overlay "VB" at 2865.67,3310 h30 r90; Top Overlay "G" at 2865,1405 h30 r90; Top Overlay "G" at 2865,1500 h30 r90; Top Overlay "3.3" at 2865,1590 h30 r90; Top Overlay "R" at 2865.67,1705 h30 r90; Top Overlay "B11" at 2865.67,1780 h30 r90; Top Overlay "B10" at 2865,1885 h30 r90; Top Overlay "B1" at 2865.67,2005 h30 r90; Top Overlay "B0" at 2865,2100 h30 r90; Top Overlay "A7" at 2865.67,2200 h30 r90; Top Overlay "A6" at 2865,2300 h30 r90; Top Overlay "A15" at 3685,2280 h30 r90; Top Overlay "A12" at 3685,2170 h60 r90; Top Overlay "A11" at 3685.67,2080 h30 r90; Top Overlay "A10" at 3685,1975 h30 r90; Top Overlay "A9" at 3685,1890 h30 r90; Top Overlay "A8" at 3685,1800 h30 r90; Top Overlay "B15" at 3685,1690 h30 r90; Top Overlay "B14" at 3685.67,1585 h30 r90; Top Overlay "B13" at 3685,1480 h30 r90; Top Overlay "B12" at 3685.67,1375 h30 r90
U3: Top Overlay "OUT" at 4175,3810 h30 r180